# KiCad board artix-dc-scm.kicad_pcb (continued)
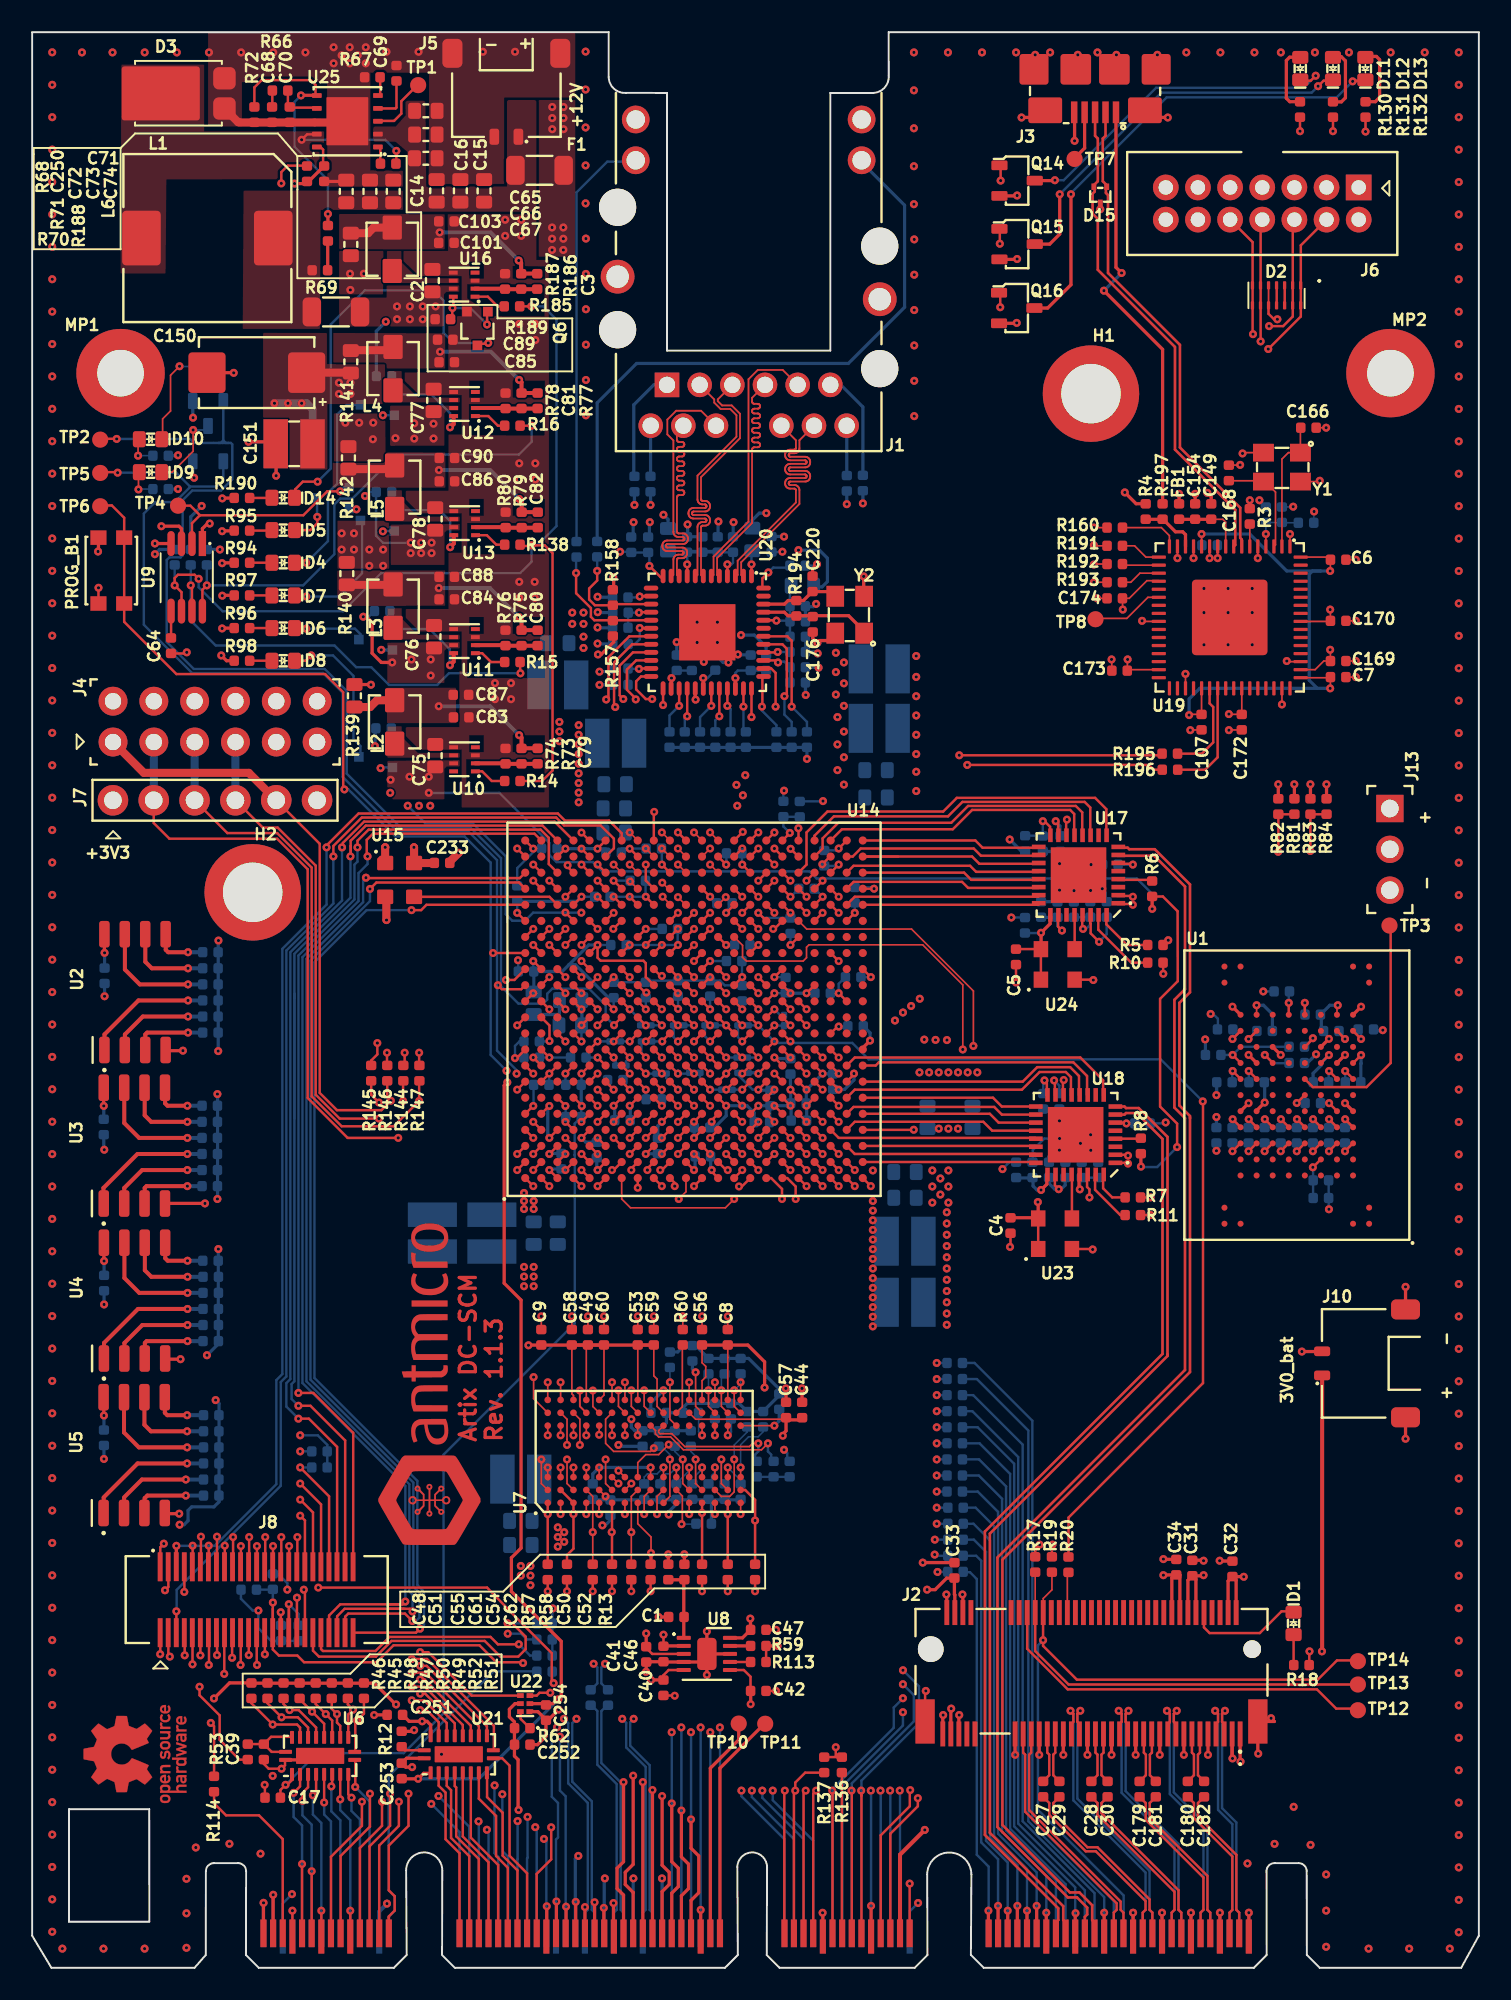
[diagram p0: board, top side]
## Routing (per net, layer and track width the routed paths; a pad name or vN(x,y) marks a point on that pad's centre or on a via; arc(x,y) is an arc through that point) (continued)
MMC_DAT1: length 47.3
  Top w0.15: 48.68,65.13 v3(49.18,65.63) ; v2(82.67,57.78) 82.17,58.28 82.17,58.29
  In2.Cu w0.15: v3(49.18,65.63) 50.27,64.53 55.6,64.53 60.2,59.93 68.88,59.93 68.91,59.92 68.94,59.91 68.97,59.89 68.99,59.87 69.01,59.84 69.02,59.81 69.03,59.78 69.03,59.33 69.03,59.3 69.04,59.26 69.06,59.24 69.08,59.21 69.11,59.19 69.14,59.18 69.18,59.18 69.21,59.18 69.24,59.19 69.27,59.21 69.29,59.24 69.31,59.26 69.32,59.3 69.33,59.33 69.33,60.32 69.33,60.35 69.34,60.39 69.36,60.41 69.38,60.44 69.41,60.46 69.44,60.47 69.47,60.47 69.51,60.47 69.54,60.46 69.57,60.44 69.59,60.41 69.61,60.39 69.62,60.35 69.62,60.32 69.62,59.28 69.63,59.25 69.64,59.21 69.66,59.19 69.68,59.16 69.71,59.14 69.74,59.13 69.78,59.13 69.81,59.13 69.84,59.14 69.87,59.16 69.89,59.19 69.91,59.21 69.92,59.25 69.93,59.28 69.93,60.32 69.93,60.35 69.94,60.39 69.96,60.41 69.98,60.44 70.01,60.46 70.04,60.47 70.08,60.47 70.11,60.47 70.14,60.46 70.17,60.44 70.19,60.41 70.21,60.39 70.22,60.35 70.22,60.32 70.22,59.28 70.23,59.25 70.24,59.21 70.26,59.19 70.28,59.16 70.31,59.14 70.34,59.13 70.38,59.13 70.41,59.13 70.44,59.14 70.47,59.16 70.49,59.19 70.51,59.21 70.52,59.25 70.53,59.28 70.53,60.32 70.53,60.35 70.54,60.39 70.56,60.41 70.58,60.44 70.61,60.46 70.64,60.47 70.68,60.47 70.71,60.47 70.74,60.46 70.77,60.44 70.79,60.41 70.81,60.39 70.82,60.35 70.83,60.32 70.83,59.28 70.83,59.25 70.84,59.21 70.86,59.19 70.88,59.16 70.91,59.14 70.94,59.13 70.97,59.13 71.01,59.13 71.04,59.14 71.07,59.16 71.09,59.19 71.11,59.21 71.12,59.25 71.12,59.28 71.12,59.78 71.13,59.81 71.14,59.84 71.16,59.87 71.18,59.89 71.21,59.91 71.24,59.92 71.28,59.93 73.47,59.93 74.25,59.15 81.28,59.15 ; v2(82.67,57.78) 81.3,59.15
  Bottom w0.15: 82.48,58.37 82.67,58.18 v2(82.67,57.78)
MMC_DAT2: length 52.5
  Top w0.15: 81.17,55.3 v2(80.68,55.79) ; 44.68,66.13 v3(44.18,65.63)
  In2.Cu w0.15: v2(80.68,55.79) 80.21,55.31 80.06,55.31 80.03,55.31 80,55.33 79.97,55.34 79.94,55.37 79.93,55.4 79.91,55.43 79.91,55.46 79.91,56.12 79.91,56.16 79.9,56.19 79.88,56.22 79.85,56.24 79.83,56.26 79.79,56.27 79.76,56.27 79.73,56.27 79.7,56.26 79.67,56.24 79.64,56.22 79.63,56.19 79.61,56.16 79.61,56.12 79.61,55.46 79.61,55.43 79.6,55.4 79.58,55.37 79.55,55.34 79.53,55.33 79.49,55.31 79.46,55.31 79.43,55.31 79.4,55.33 79.37,55.34 79.34,55.37 79.33,55.4 79.31,55.43 79.31,55.46 79.31,56.12 79.31,56.16 79.3,56.19 79.28,56.22 79.25,56.24 79.23,56.26 79.19,56.27 79.16,56.27 79.13,56.27 79.1,56.26 79.07,56.24 79.04,56.22 79.03,56.19 79.01,56.16 79.01,56.12 79.01,55.46 79.01,55.43 79,55.4 78.98,55.37 78.95,55.34 78.93,55.33 78.89,55.31 78.86,55.31 78.83,55.31 78.8,55.33 78.77,55.34 78.74,55.37 78.73,55.4 78.71,55.43 78.71,55.46 78.71,56.12 78.71,56.16 78.7,56.19 78.68,56.22 78.65,56.24 78.63,56.26 78.59,56.27 78.56,56.27 78.53,56.27 78.5,56.26 78.47,56.24 78.44,56.22 78.43,56.19 78.41,56.16 78.41,56.12 78.41,55.46 78.41,55.43 78.4,55.4 78.38,55.37 78.35,55.34 78.33,55.33 78.29,55.31 78.26,55.31 78.23,55.31 78.2,55.33 78.17,55.34 78.14,55.37 78.13,55.4 78.11,55.43 78.11,55.46 78.11,56.12 78.11,56.16 78.1,56.19 78.08,56.22 78.05,56.24 78.03,56.26 77.99,56.27 77.96,56.27 77.93,56.27 77.9,56.26 77.87,56.24 77.84,56.22 77.83,56.19 77.81,56.16 77.81,56.12 77.81,55.46 77.81,55.43 77.8,55.4 77.78,55.37 77.75,55.34 77.73,55.33 77.69,55.31 77.66,55.31 77.63,55.31 77.6,55.33 77.57,55.34 77.54,55.37 77.53,55.4 77.51,55.43 77.51,55.46 77.51,56.12 77.51,56.16 77.5,56.19 77.48,56.22 77.45,56.24 77.43,56.26 77.39,56.27 77.36,56.27 77.33,56.27 77.3,56.26 77.27,56.24 77.24,56.22 77.23,56.19 77.21,56.16 77.21,56.12 77.21,55.46 77.21,55.43 77.2,55.4 77.18,55.37 77.15,55.34 77.13,55.33 77.09,55.31 77.06,55.31 76.97,55.23 65.88,55.23 64.97,56.13 60.9,56.13 54.8,62.23 47,62.23 46.1,63.13 44.87,63.13 44.65,63.35 44.65,65.15 v3(44.18,65.63)
  Bottom w0.15: v2(80.68,55.79) 80.66,55.76 80.66,55.09
MMC_DAT3: length 46.1
  Top w0.1: 81.18,58.27 v2(81.67,57.78)
  Top w0.15: 81.17,58.29 81.17,58.28 v2(81.67,57.78) ; 47.68,66.13 v3(48.18,65.63)
  In2.Cu w0.15: v3(48.18,65.63) 49.57,64.23 55.47,64.23 60.03,59.67 65.03,59.67 65.06,59.67 65.09,59.66 65.12,59.64 65.14,59.62 65.16,59.59 65.17,59.56 65.18,59.52 65.18,59.04 65.18,59.01 65.19,58.98 65.21,58.95 65.23,58.92 65.26,58.91 65.29,58.89 65.33,58.89 65.36,58.89 65.39,58.91 65.42,58.92 65.44,58.95 65.46,58.98 65.47,59.01 65.48,59.04 65.48,59.52 65.48,59.56 65.49,59.59 65.51,59.62 65.53,59.64 65.56,59.66 65.59,59.67 65.63,59.67 65.66,59.67 65.69,59.66 65.72,59.64 65.74,59.62 65.76,59.59 65.77,59.56 65.78,59.52 65.78,59.04 65.78,59.01 65.79,58.98 65.81,58.95 65.83,58.92 65.86,58.91 65.89,58.89 65.93,58.89 65.96,58.89 65.99,58.91 66.02,58.92 66.04,58.95 66.06,58.98 66.07,59.01 66.08,59.04 66.08,59.52 66.08,59.56 66.09,59.59 66.11,59.62 66.13,59.64 66.16,59.66 66.19,59.67 66.23,59.67 66.26,59.67 66.29,59.66 66.32,59.64 66.34,59.62 66.36,59.59 66.37,59.56 66.38,59.52 66.38,59.04 66.38,59.01 66.39,58.98 66.41,58.95 66.43,58.92 66.46,58.91 66.49,58.89 66.53,58.89 66.56,58.89 66.59,58.91 66.62,58.92 66.64,58.95 66.66,58.98 66.67,59.01 66.68,59.04 66.68,59.52 66.68,59.56 66.69,59.59 66.71,59.62 66.73,59.64 66.76,59.66 66.79,59.67 66.83,59.67 66.86,59.67 66.89,59.66 66.92,59.64 66.94,59.62 66.96,59.59 66.97,59.56 66.98,59.52 66.98,59.04 66.98,59.01 66.99,58.98 67.01,58.95 67.03,58.92 67.06,58.91 67.09,58.89 67.13,58.89 67.16,58.89 67.19,58.91 67.22,58.92 67.24,58.95 67.26,58.98 67.27,59.01 67.28,59.04 67.28,59.52 67.28,59.56 67.29,59.59 67.31,59.62 67.33,59.64 67.36,59.66 67.39,59.67 67.43,59.67 67.46,59.67 67.49,59.66 67.52,59.64 67.54,59.62 67.56,59.59 67.57,59.56 67.58,59.52 67.58,59.04 67.58,59.01 67.59,58.98 67.61,58.95 67.63,58.92 67.66,58.91 67.69,58.89 67.73,58.89 67.76,58.89 67.79,58.91 67.82,58.92 67.84,58.95 67.86,58.98 67.87,59.01 67.88,59.04 67.88,59.52 67.88,59.56 67.89,59.59 67.91,59.62 67.93,59.64 67.96,59.66 67.99,59.67 68.03,59.67 68.23,59.67 69.05,58.85 80.6,58.85 v2(81.67,57.78)
  Bottom w0.15: 81.17,58.28 v2(81.67,57.78)
MMC_DAT4: length 46.2
  Top w0.1: 76.16,58.27 v2(75.67,57.78)
  Top w0.15: 76.17,58.29 76.17,58.28 v2(75.67,57.78) ; 46.68,66.13 v3(47.18,65.63)
  In2.Cu w0.15: v2(75.67,57.78) 75.2,58.25 67.7,58.25 67.18,57.73 64.4,57.73 64.37,57.73 64.33,57.74 64.31,57.76 64.28,57.78 64.26,57.81 64.25,57.84 64.25,57.88 64.25,58.65 64.25,58.68 64.24,58.71 64.22,58.74 64.19,58.77 64.17,58.78 64.13,58.79 64.1,58.8 64.07,58.79 64.03,58.78 64.01,58.77 63.98,58.74 63.96,58.71 63.95,58.68 63.95,58.65 63.95,57.66 63.95,57.65 63.94,57.64 63.94,57.62 63.93,57.61 63.92,57.61 63.9,57.6 63.89,57.6 63.71,57.6 63.7,57.6 63.68,57.61 63.67,57.61 63.66,57.62 63.66,57.64 63.65,57.65 63.65,57.66 63.65,58.65 63.65,58.68 63.64,58.71 63.62,58.74 63.59,58.77 63.57,58.78 63.53,58.79 63.5,58.8 63.47,58.79 63.43,58.78 63.41,58.77 63.38,58.74 63.36,58.71 63.35,58.68 63.35,58.65 63.35,57.66 63.35,57.65 63.34,57.64 63.34,57.62 63.33,57.61 63.32,57.61 63.3,57.6 63.29,57.6 63.11,57.6 63.1,57.6 63.08,57.61 63.07,57.61 63.06,57.62 63.06,57.64 63.05,57.65 63.05,57.66 63.05,58.65 63.05,58.68 63.04,58.71 63.02,58.74 62.99,58.77 62.97,58.78 62.93,58.79 62.9,58.8 62.87,58.79 62.83,58.78 62.81,58.77 62.78,58.74 62.76,58.71 62.75,58.68 62.75,58.65 62.75,57.66 62.75,57.65 62.74,57.64 62.74,57.62 62.73,57.61 62.72,57.61 62.7,57.6 62.69,57.6 62.51,57.6 62.5,57.6 62.48,57.61 62.47,57.61 62.46,57.62 62.46,57.64 62.45,57.65 62.45,57.66 62.45,58.65 62.45,58.68 62.44,58.71 62.42,58.74 62.39,58.77 62.37,58.78 62.33,58.79 62.3,58.8 62.27,58.79 62.23,58.78 62.21,58.77 62.18,58.74 62.16,58.71 62.15,58.68 62.15,58.65 62.15,57.66 62.15,57.65 62.14,57.64 62.14,57.62 62.13,57.61 62.12,57.61 62.1,57.6 62.09,57.6 61.91,57.6 61.9,57.6 61.88,57.61 61.87,57.61 61.86,57.62 61.86,57.64 61.85,57.65 61.85,57.66 61.85,58.65 61.85,58.68 61.84,58.71 61.82,58.74 61.79,58.77 61.77,58.78 61.73,58.79 61.7,58.8 61.67,58.79 61.63,58.78 61.61,58.77 61.58,58.74 61.56,58.71 61.55,58.68 61.55,58.65 61.55,57.73 61.54,57.73 61.54,57.66 61.54,57.65 61.53,57.64 61.52,57.62 61.51,57.61 61.5,57.61 61.49,57.6 61.48,57.6 61.3,57.6 61.28,57.6 61.27,57.61 61.26,57.61 61.25,57.62 61.24,57.64 61.24,57.65 61.24,57.68 61.23,57.69 61.22,57.7 61.21,57.71 61.2,57.72 61.19,57.72 61.18,57.73 61,57.73 55.1,63.63 48.82,63.63 47.18,65.27 v3(47.18,65.63)
  Bottom w0.15: 76.19,58.28 76.17,58.28 v2(75.67,57.78)
MMC_DAT5: length 45.3
  Top w0.15: 76.17,55.3 v2(75.68,55.79) ; v3(46.1,64.63) 46.18,64.63 46.68,65.13
  In2.Cu w0.15: v2(75.68,55.79) 75.21,56.26 74.54,56.26 74.51,56.26 74.48,56.27 74.46,56.29 74.44,56.31 74.42,56.33 74.41,56.36 74.41,56.41 74.4,56.44 74.38,56.46 74.36,56.48 74.34,56.5 74.31,56.51 74.29,56.51 74.24,56.51 74.21,56.51 74.18,56.5 74.16,56.48 74.14,56.46 74.12,56.44 74.11,56.41 74.11,56.39 74.11,56.16 74.11,56.14 74.1,56.12 74.09,56.1 74.07,56.08 74.05,56.07 74.03,56.06 74.01,56.06 73.91,56.06 73.89,56.06 73.87,56.07 73.85,56.08 73.83,56.1 73.82,56.12 73.81,56.14 73.81,56.16 73.81,56.91 73.81,56.94 73.8,56.98 73.78,57 73.75,57.03 73.73,57.05 73.69,57.06 73.66,57.06 73.63,57.06 73.6,57.05 73.57,57.03 73.54,57 73.53,56.98 73.51,56.94 73.51,56.91 73.51,56.16 73.51,56.14 73.5,56.12 73.49,56.1 73.47,56.08 73.45,56.07 73.43,56.06 73.41,56.06 73.31,56.06 73.29,56.06 73.27,56.07 73.25,56.08 73.23,56.1 73.22,56.12 73.21,56.14 73.21,56.16 73.21,56.91 73.21,56.94 73.2,56.98 73.18,57 73.15,57.03 73.13,57.05 73.09,57.06 73.06,57.06 73.03,57.06 73,57.05 72.97,57.03 72.94,57 72.93,56.98 72.91,56.94 72.91,56.91 72.91,56.16 72.91,56.14 72.9,56.12 72.89,56.1 72.87,56.08 72.85,56.07 72.83,56.06 72.81,56.06 72.71,56.06 72.69,56.06 72.67,56.07 72.65,56.08 72.63,56.1 72.62,56.12 72.61,56.14 72.61,56.16 72.61,56.91 72.61,56.94 72.6,56.98 72.58,57 72.55,57.03 72.53,57.05 72.49,57.06 72.46,57.06 72.43,57.06 72.4,57.05 72.37,57.03 72.34,57 72.33,56.98 72.31,56.94 72.31,56.91 72.31,56.16 72.31,56.14 72.3,56.12 72.29,56.1 72.27,56.08 72.25,56.07 72.23,56.06 72.21,56.06 72.11,56.06 72.09,56.06 72.07,56.07 72.05,56.08 72.03,56.1 72.02,56.12 72.01,56.14 72.01,56.16 72.01,56.91 72.01,56.94 72,56.98 71.98,57 71.95,57.03 71.93,57.05 71.89,57.06 71.86,57.06 71.83,57.06 71.8,57.05 71.77,57.03 71.74,57 71.73,56.98 71.71,56.94 71.71,56.91 71.71,56.16 71.71,56.14 71.7,56.12 71.69,56.1 71.67,56.08 71.65,56.07 71.63,56.06 71.61,56.06 71.51,56.06 71.49,56.06 71.47,56.07 71.45,56.08 71.43,56.1 71.42,56.12 71.41,56.14 71.41,56.16 71.41,56.91 71.41,56.94 71.4,56.98 71.38,57 71.35,57.03 71.33,57.05 71.29,57.06 71.26,57.06 71.23,57.06 71.2,57.05 71.17,57.03 71.14,57 71.13,56.98 71.11,56.94 71.11,56.91 71.11,56.16 71.11,56.14 71.1,56.12 71.09,56.1 71.07,56.08 71.05,56.07 71.03,56.06 71.01,56.06 70.91,56.06 70.89,56.06 70.87,56.07 70.85,56.08 70.83,56.1 70.82,56.12 70.81,56.14 70.81,56.18 70.8,56.2 70.79,56.22 70.77,56.24 70.75,56.25 70.73,56.26 70.71,56.26 70.44,56.26 69.78,56.93 60.95,56.93 55.05,62.83 47.3,62.83 46.1,64.02 v3(46.1,64.63)
  Bottom w0.15: 75.69,55.09 75.69,55.78 v2(75.68,55.79)
MMC_DAT6: length 45.8
  Top w0.1: 75.16,58.27 v2(74.67,57.78)
  Top w0.15: 75.17,58.29 75.17,58.28 v2(74.67,57.78) ; 45.68,66.13 v3(46.18,65.63)
  In2.Cu w0.15: v3(46.18,65.63) 48.57,63.23 55.07,63.23 60.98,57.33 67.78,57.33 67.79,57.32 67.8,57.32 67.82,57.31 67.83,57.3 67.84,57.29 67.84,57.27 67.85,57.24 67.85,57.23 67.86,57.21 67.87,57.2 67.88,57.19 67.9,57.19 67.91,57.19 68.08,57.19 68.09,57.19 68.1,57.19 68.12,57.2 68.13,57.21 68.14,57.23 68.14,57.24 68.14,57.26 68.14,57.33 68.15,57.33 68.15,57.81 68.15,57.85 68.16,57.88 68.18,57.91 68.21,57.93 68.23,57.95 68.27,57.96 68.3,57.96 68.33,57.96 68.37,57.95 68.39,57.93 68.42,57.91 68.44,57.88 68.45,57.85 68.45,57.81 68.45,57.26 68.45,57.24 68.46,57.23 68.47,57.21 68.48,57.2 68.49,57.19 68.5,57.19 68.52,57.19 68.68,57.19 68.7,57.19 68.71,57.19 68.72,57.2 68.73,57.21 68.74,57.23 68.75,57.24 68.75,57.26 68.75,57.81 68.75,57.85 68.76,57.88 68.78,57.91 68.81,57.93 68.83,57.95 68.87,57.96 68.9,57.96 68.93,57.96 68.97,57.95 68.99,57.93 69.02,57.91 69.04,57.88 69.05,57.85 69.05,57.81 69.05,57.26 69.05,57.24 69.06,57.23 69.07,57.21 69.08,57.2 69.09,57.19 69.1,57.19 69.12,57.19 69.28,57.19 69.3,57.19 69.31,57.19 69.32,57.2 69.33,57.21 69.34,57.23 69.35,57.24 69.35,57.26 69.35,57.81 69.35,57.85 69.36,57.88 69.38,57.91 69.41,57.93 69.43,57.95 69.47,57.96 69.5,57.96 69.53,57.96 69.57,57.95 69.59,57.93 69.62,57.91 69.64,57.88 69.65,57.85 69.65,57.81 69.65,57.26 69.65,57.24 69.66,57.23 69.67,57.21 69.68,57.2 69.69,57.19 69.7,57.19 69.72,57.19 69.88,57.19 69.9,57.19 69.91,57.19 69.92,57.2 69.93,57.21 69.94,57.23 69.95,57.24 69.95,57.26 69.95,57.81 69.95,57.85 69.96,57.88 69.98,57.91 70.01,57.93 70.03,57.95 70.07,57.96 70.1,57.96 70.13,57.96 70.17,57.95 70.19,57.93 70.22,57.91 70.24,57.88 70.25,57.85 70.25,57.81 70.25,56.89 70.25,56.85 70.26,56.82 70.28,56.79 70.31,56.77 70.33,56.75 70.37,56.74 70.4,56.74 70.43,56.74 70.47,56.75 70.49,56.77 70.52,56.79 70.54,56.82 70.55,56.85 70.55,56.89 70.55,57.81 70.55,57.85 70.56,57.88 70.58,57.91 70.61,57.93 70.63,57.95 70.67,57.96 70.7,57.96 70.73,57.96 70.77,57.95 70.79,57.93 70.82,57.91 70.84,57.88 70.85,57.85 70.85,57.81 70.85,57.48 70.85,57.44 70.86,57.41 70.88,57.38 70.91,57.36 70.93,57.34 70.97,57.33 71,57.33 71.03,57.33 71.07,57.34 71.09,57.36 71.12,57.38 71.14,57.41 71.15,57.44 71.15,57.48 71.15,57.81 71.15,57.85 71.16,57.88 71.18,57.91 71.21,57.93 71.23,57.95 71.27,57.96 71.3,57.96 71.33,57.96 71.37,57.95 71.39,57.93 71.42,57.91 71.44,57.88 71.45,57.85 71.45,57.81 71.45,57.48 71.45,57.44 71.46,57.41 71.48,57.38 71.51,57.36 71.53,57.34 71.57,57.33 71.6,57.33 71.5,57.33 71.53,57.33 71.57,57.34 71.59,57.36 71.62,57.38 71.64,57.41 71.65,57.44 71.65,57.48 71.65,57.81 71.65,57.85 71.66,57.88 71.68,57.91 71.71,57.93 71.73,57.95 71.77,57.96 71.8,57.96 71.83,57.96 71.87,57.95 71.89,57.93 71.92,57.91 71.94,57.88 71.95,57.85 71.95,57.81 71.95,57.48 71.95,57.44 71.96,57.41 71.98,57.38 72.01,57.36 72.03,57.34 72.07,57.33 72.1,57.33 72,57.33 72.03,57.33 72.07,57.34 72.09,57.36 72.12,57.38 72.14,57.41 72.15,57.44 72.15,57.48 72.15,57.81 72.15,57.85 72.16,57.88 72.18,57.91 72.21,57.93 72.23,57.95 72.27,57.96 72.3,57.96 72.33,57.96 72.37,57.95 72.39,57.93 72.42,57.91 72.44,57.88 72.45,57.85 72.45,57.81 72.45,57.48 72.45,57.44 72.46,57.41 72.48,57.38 72.51,57.36 72.53,57.34 72.57,57.33 72.6,57.33 73.87,57.33 74.32,57.78 v2(74.67,57.78)
  Bottom w0.1: v2(74.67,57.78) 74.7,57.81 74.7,58.37
MMC_DAT7: length 45.4
  Top w0.15: 75.17,55.3 v2(74.68,55.79) ; 44.68,65.13 v3(45.18,64.63)
  In2.Cu w0.15: v3(45.18,64.63) 45.68,64.13 45.68,64.03 47.17,62.53 54.92,62.53 60.92,56.53 65.18,56.53 65.91,55.79 66.54,55.79 66.57,55.78 66.6,55.77 66.63,55.75 66.65,55.73 66.67,55.7 66.68,55.67 66.69,55.6 66.7,55.57 66.72,55.54 66.74,55.52 66.77,55.5 66.8,55.49 66.84,55.49 66.87,55.49 66.9,55.5 66.93,55.52 66.95,55.54 66.97,55.57 66.98,55.6 66.99,55.64 66.99,55.79 66.99,56.49 66.99,56.52 67,56.55 67.02,56.58 67.04,56.6 67.07,56.62 67.1,56.63 67.14,56.64 67.17,56.63 67.2,56.62 67.23,56.6 67.25,56.58 67.27,56.55 67.28,56.52 67.29,56.49 67.29,55.64 67.29,55.6 67.3,55.57 67.32,55.54 67.34,55.52 67.37,55.5 67.4,55.49 67.44,55.49 67.47,55.49 67.5,55.5 67.53,55.52 67.55,55.54 67.57,55.57 67.58,55.6 67.59,55.64 67.59,56.49 67.59,56.52 67.6,56.55 67.62,56.58 67.64,56.6 67.67,56.62 67.7,56.63 67.74,56.64 67.77,56.63 67.8,56.62 67.83,56.6 67.85,56.58 67.87,56.55 67.88,56.52 67.89,56.49 67.89,55.64 67.89,55.6 67.9,55.57 67.92,55.54 67.94,55.52 67.97,55.5 68,55.49 68.04,55.49 68.07,55.49 68.1,55.5 68.13,55.52 68.15,55.54 68.17,55.57 68.18,55.6 68.19,55.64 68.19,56.49 68.19,56.52 68.2,56.55 68.22,56.58 68.24,56.6 68.27,56.62 68.3,56.63 68.34,56.64 68.37,56.63 68.4,56.62 68.43,56.6 68.45,56.58 68.47,56.55 68.48,56.52 68.49,56.49 68.49,55.64 68.49,55.6 68.5,55.57 68.52,55.54 68.54,55.52 68.57,55.5 68.6,55.49 68.64,55.49 68.67,55.49 68.7,55.5 68.73,55.52 68.75,55.54 68.77,55.57 68.78,55.6 68.79,55.64 68.79,56.49 68.79,56.52 68.8,56.55 68.82,56.58 68.84,56.6 68.87,56.62 68.9,56.63 68.94,56.64 68.97,56.63 69,56.62 69.03,56.6 69.05,56.58 69.07,56.55 69.08,56.52 69.09,56.49 69.09,55.64 69.09,55.6 69.1,55.57 69.12,55.54 69.14,55.52 69.17,55.5 69.2,55.49 69.24,55.49 69.27,55.49 69.3,55.5 69.33,55.52 69.35,55.54 69.37,55.57 69.38,55.6 69.39,55.64 69.39,56.49 69.39,56.52 69.4,56.55 69.42,56.58 69.44,56.6 69.47,56.62 69.5,56.63 69.54,56.64 69.57,56.63 69.6,56.62 69.63,56.6 69.65,56.58 69.67,56.55 69.68,56.52 69.69,56.49 69.69,55.94 69.69,55.9 69.7,55.87 69.72,55.84 69.74,55.82 69.77,55.8 69.8,55.79 69.84,55.79 v2(74.68,55.79)
  Bottom w0.15: v2(74.68,55.79) 74.66,55.76 74.66,55.09
MMC_RSTN: length 39
  Top w0.15: 79.17,57.29 79.76,57.88 ; 47.68,67.13 v3(48.18,66.63)
  In2.Cu w0.15: v3(48.18,66.63) 47.65,66.1 47.65,65.25 48.97,63.93 55.27,63.93 59.87,59.33 64.38,59.33 65.15,58.55 78.95,58.55 v2(79.67,57.83)
  Bottom w0.15: 79.16,57.3 79.16,57.31 v2(79.67,57.83)
NCSI_CLK: length 70.4
  Top w0.15: U14.B13 v3(32.18,61.63)
  Top w0.2: J9.B18 36.79,4.53 36.39,4.93 36.39,6.2 36.79,6.6 v3(36.79,11.56)
  In2.Cu w0.15: v3(36.79,11.56) 32.27,11.56 26.68,17.14 26.68,57.53 30.18,61.03 31.58,61.03 v3(32.18,61.63)
NCSI_CRS_DV: length 71.6
  Top w0.15: U14.A14 30,61.45 v3(29.48,61.45)
  Top w0.2: J9.B19 37.39,4.69 36.9,5.18 36.9,5.95 37.39,6.44 v3(37.39,11.96)
  In2.Cu w0.15: v3(29.48,61.45) 29.48,60.97 26.38,57.88 26.38,17.02 32.32,11.08 37.11,11.08 37.39,11.36 v3(37.39,11.96)
NCSI_RXD0: length 76.8
  Top w0.15: U14.A15 v3(28.68,63.13)
  Top w0.2: v3(40.39,9.79) 40.39,6.9 40.84,6.45 40.84,4.93 40.39,4.48 J9.B24
  In2.Cu w0.15: v3(40.39,9.79) 40.14,9.54 31.75,9.54 24.88,16.4 24.88,59.33 v3(28.68,63.13)
NCSI_RXD1: length 79.2
  Top w0.15: U14.B15 v3(31.18,63.63)
  Top w0.2: J9.B25 40.99,4.2 41.47,4.68 41.47,6.96 40.99,7.44 v3(40.99,9.24)
  In2.Cu w0.15: v3(40.99,9.24) 31.62,9.24 24.58,16.27 24.58,59.71 28.5,63.63 v3(31.18,63.63)
NCSI_RXER: length 78
  Top w0.15: U14.C15 v3(32.18,63.63)
  Top w0.2: J9.B23 39.79,4.65 40.2,5.06 40.2,6.2 39.79,6.61 v3(39.79,10.23)
  In2.Cu w0.15: v3(32.18,63.63) 31.68,63.13 29.37,63.13 25.18,58.93 25.18,16.52 31.83,9.88 39.44,9.88 v3(39.79,10.23)
NCSI_TXD0: length 77.4
  Top w0.15: U14.D14 v3(34.18,61.63)
  Top w0.2: 38.59,1.96 v3(38.59,11.06)
  In2.Cu w0.15: v3(34.18,61.63) U14.D14 32.05,62.13 31.8,61.87 29.02,61.87 25.78,58.63 25.78,16.77 32.08,10.48 38.01,10.48 v3(38.59,11.06)
NCSI_TXD1: length 78.6
  Top w0.15: U14.E14 v3(34.18,62.63)
  Top w0.2: J9.B22 39.19,4.74 39.63,5.19 39.63,5.94 39.19,6.38 v3(39.19,10.69)
  In2.Cu w0.15: v3(39.19,10.69) 38.68,10.18 31.95,10.18 25.48,16.65 25.48,58.81 28.8,62.13 31.57,62.13 32.07,62.63 v3(34.18,62.63)
NCSI_TXEN: length 72
  Top w0.15: U14.A13 30.43,60.88 29.22,60.88 v3(28.97,61.12)
  Top w0.2: v3(37.99,11.56) 37.99,1.96
  In2.Cu w0.15: v3(28.97,61.12) 26.08,58.24 26.08,16.89 32.2,10.78 37.71,10.78 37.99,11.06 v3(37.99,11.56)
PCIE_BMC_CLK_100_N: length 61.8
  Top w0.15: U14.E6 v4(35.18,53.63)
  In5.Cu w0.11: v4(35.18,53.63) U14.E6 30.83,54.13 27.64,50.93 27.64,25.32 33.57,19.38 33.57,15.79 33.87,15.49
  Bottom w0.15: J9.A15 34.99,3.44 34.82,3.61 34.82,10.36 33.6,11.58 33.6,15.23 v2(33.86,15.49)
PCIE_BMC_CLK_100_P: length 62
  Top w0.15: U14.F6 v4(35.18,54.63)
  In5.Cu w0.11: 33.09,15.64 33.27,15.83 33.27,19.23 27.32,25.18 27.32,51.06 30.7,54.45 34.64,54.45 34.82,54.63 v4(35.18,54.63)
  Bottom w0.15: 34.39,2.15 34.39,3.44 34.57,3.61 34.57,10.26 33.35,11.48 33.35,15.23 v2(33.08,15.49)
PCIE_BMC_RX_N: length 58.5
  Top w0.15: U14.A8 v3(31.18,55.63)
  In2.Cu w0.11: 37.43,15.49 37.43,15.87 37.2,16.1 37.2,19.87 29.94,27.13 29.94,54.39 v3(31.18,55.63)
  Bottom w0.15: v2(37.42,15.49) 37.21,15.28 37.21,13.82 38.41,12.61 38.41,3.61 38.59,3.44 J9.A21
PCIE_BMC_RX_P: length 59.6
  Top w0.15: U14.B8 v3(31.18,56.63)
  In2.Cu w0.11: 36.72,15.49 36.72,15.92 36.9,16.1 36.9,19.8 29.62,27.09 29.62,54.49 30.68,55.55 30.68,56.13 v3(31.18,56.63)
  Bottom w0.15: v2(36.71,15.49) 36.96,15.25 36.96,13.71 38.16,12.5 38.16,3.61 37.99,3.44 37.99,2.15
PCIE_BMC_TX_N: length 14.9
  Bottom w0.15: J9.A18 36.79,3.44 36.62,3.61 36.62,11.54 35.41,12.74 35.41,15.98 35.79,16.35
PCIE_BMC_TX_P: length 14.9
  Bottom w0.15: 34.79,16.35 35.16,15.98 35.16,12.64 36.37,11.43 36.37,3.61 36.19,3.44 36.19,2.15
PCIE_HPM_CLK_N: length 14.9
  Top w0.15: J9.B57 67.89,3.44 67.72,3.61 67.72,4.12 62.02,9.81 62.02,13.26 62.15,13.39 J2.53
PCIE_HPM_CLK_P: length 14.9
  Top w0.15: J2.55 61.65,13.39 61.77,13.26 61.77,9.71 67.47,4.02 67.47,3.61 67.29,3.44 J9.B56
PCIE_HPM_RX[0]_N: length 18.3
  Top w0.11: J2.41 65.15,15.18
  Top w0.15: v2(65.21,15.99) 65.03,15.81 65.03,15.3 65.15,15.18
  Bottom w0.11: 69.69,1.96 69.69,2.83
  Bottom w0.15: J9.A60 69.69,3.44 69.52,3.61 69.52,6.03 65.03,10.52 65.03,15.81 v2(65.21,15.99)
PCIE_HPM_RX[0]_P: length 18.3
  Top w0.11: J2.43 64.65,15.18
  Top w0.15: v2(64.59,15.99) 64.78,15.81 64.78,15.3 64.65,15.18
  Bottom w0.11: 69.09,1.96 69.09,2.83
  Bottom w0.15: J9.A59 69.09,3.44 69.27,3.61 69.27,5.93 64.78,10.42 64.78,15.81 v2(64.59,15.99)
PCIE_HPM_RX[1]_N: length 18.4
  Top w0.11: J2.29 68.15,15.18
  Top w0.15: v2(68.21,15.99) 68.03,15.81 68.03,15.3 68.15,15.18 J2.29
  Bottom w0.11: 71.49,1.96 71.49,2.83
  Bottom w0.15: J9.A63 71.49,3.44 71.31,3.61 71.31,7.7 68.03,10.99 68.03,15.81 v2(68.21,15.99)
PCIE_HPM_RX[1]_P: length 18.4
  Top w0.11: J2.31 67.65,15.18
  Top w0.15: J2.31 67.65,15.18 67.78,15.3 67.78,15.81 v2(67.59,15.99)
  Bottom w0.11: 70.89,1.96 70.89,2.83
  Bottom w0.15: v2(67.59,15.99) 67.78,15.81 67.78,10.89 71.06,7.6 71.06,3.61 70.89,3.44 J9.A62
PCIE_HPM_RX[2]_N: length 17.9
  Top w0.11: 71.15,14.55 71.15,15.18
  Top w0.15: 71.15,14.55 71.15,15.18 71.03,15.3 71.03,15.81 v2(71.21,15.99)
  Bottom w0.11: 73.29,1.96 73.29,2.83
  Bottom w0.15: v2(71.21,15.99) 71.03,15.81 71.03,10.91 73.12,8.82 73.12,3.61 73.29,3.44 J9.A66
PCIE_HPM_RX[2]_P: length 17.9
  Top w0.11: 70.65,14.55 70.65,15.18
  Top w0.15: v2(70.59,15.99) 70.78,15.81 70.78,15.3 70.65,15.18 70.65,14.55
  Bottom w0.11: 72.69,1.96 72.69,2.83
  Bottom w0.15: J9.A65 72.69,3.44 72.87,3.61 72.87,8.72 70.78,10.81 70.78,15.81 v2(70.59,15.99)
PCIE_HPM_RX[3]_N: length 16.6
  Top w0.11: 74.15,14.55 74.15,15.18
  Top w0.15: v2(74.21,15.99) 74.03,15.81 74.03,15.3 74.15,15.18 74.15,14.55
  Bottom w0.15: v2(74.21,15.99) 74.03,15.81 74.03,9.93 74.91,9.04 74.91,3.61 75.09,3.44 J9.A69
PCIE_HPM_RX[3]_P: length 16.6
  Top w0.11: 73.65,14.55 73.65,15.18
  Top w0.15: v2(73.59,15.99) 73.78,15.81 73.78,15.3 73.65,15.18 73.65,14.55
  Bottom w0.15: v2(73.59,15.99) 73.78,15.81 73.78,9.83 74.66,8.94 74.66,3.61 74.49,3.44 J9.A68
PCIE_HPM_TX[0]_N: length 11.6
  Top w0.15: J9.B60 69.69,3.44 69.52,3.61 69.52,4.26 66.28,7.5 65.65,7.5 63.52,9.62 63.52,10.25 63.9,10.63
PCIE_HPM_TX[0]_P: length 11.6
  Top w0.15: J9.B59 69.09,3.44 69.27,3.61 69.27,4.16 66.17,7.25 65.54,7.25 63.27,9.52 63.27,10.25 62.9,10.63
PCIE_HPM_TX[1]_N: length 10.7
  Top w0.15: J9.B63 71.49,3.44 71.31,3.61 71.31,4.83 66.53,9.62 66.53,10.25 66.91,10.63
PCIE_HPM_TX[1]_P: length 10.7
  Top w0.15: 65.9,10.63 66.28,10.25 66.28,9.52 71.06,4.73 71.06,3.61 70.89,3.44 J9.B62
PCIE_HPM_TX[2]_N: length 10.2
  Top w0.15: J9.B66 73.29,3.44 73.12,3.61 73.12,5.72 69.53,9.31 69.53,10.25 69.91,10.63
PCIE_HPM_TX[2]_P: length 10.2
  Top w0.15: 68.9,10.63 69.28,10.25 69.28,9.21 72.87,5.62 72.87,3.61 72.69,3.44 J9.B65
PCIE_HPM_TX[3]_N: length 9.7
  Top w0.15: 72.91,10.63 72.53,10.25 72.53,9.42 74.91,7.03 74.91,3.61 75.09,3.44 J9.B69
PCIE_HPM_TX[3]_P: length 9.7
  Top w0.15: 71.9,10.63 72.28,10.25 72.28,9.32 74.66,6.93 74.66,3.61 74.49,3.44 J9.B68
PECI_BMC: length 14
  Top w0.2: 42.19,1.96 42.19,12.42 43.96,14.19 43.96,15.25
PROGRAM: length 128.1
  Top w0.15: 42.68,60.13 v4(43.18,59.63) ; v2(19.43,73.3) 19.35,73.38 19.35,79.35 18.23,80.48 8.98,80.48 5.73,83.73 PROG_B1.2 PROG_B1.1 5.73,90.2 4.96,90.97 4.23,90.97 ; 17.47,20.85 17.47,19.73 17.84,19.36 21.39,19.36 21.39,19.37 22.35,20.34 28.15,20.34 29.13,19.36 30.24,19.36 30.7,19.82 30.7,20.6 29.86,21.44 v2(29.57,21.44)
  In5.Cu w0.15: v2(29.57,21.44) 25.65,25.36 25.65,51.88 29.51,55.74 v2(29.51,55.8) 29.51,56.77 30.87,58.13 41.37,58.13 41.65,58.4 41.65,58.8 41.98,59.13 42.68,59.13 v4(43.18,59.63)
  Bottom w0.15: v2(29.51,55.8) 28.52,56.79 28.52,68.75 26.9,70.38 22.6,70.38 19.67,73.3 v2(19.43,73.3) ; 31.39,21.43 29.59,21.43 v2(29.57,21.44)
PRSNT0_N_R: length 70.2
  Top w0.15: 34.68,69.12 v4(34.18,69.62) ; 11.32,11.92 11.32,15.04 v2(11.12,15.24)
  In5.Cu w0.15: v4(34.18,69.62) 33.69,69.13 30.06,69.13 18.45,57.51 18.45,22.57 v2(11.12,15.24)
PRSNT1_N: length 46.5
  Top w0.1: 62.9,22.1 62.9,22.98 63.44,23.52 63.44,24.61
  Top w0.15: 82.47,19.12 81.18,19.12 79.97,17.93 64.99,17.93 62.89,20.03 v2(62.89,20.38) 62.89,22.09 62.9,22.1
  Bottom w0.15: v2(62.89,20.38) 62.57,20.06 62.57,9.83 67.9,4.5 67.9,1.97
QSPI0_CLK: length 34.3
  Top w0.15: v2(11.95,18.29) 11.95,18.29 11.95,20.57
  Top w0.2: 32.62,2.23 v3(32.62,4.13)
  In2.Cu w0.15: v3(32.62,4.13) 31.09,5.65 27.84,5.65 25.36,8.13 15.89,8.13 11.95,12.08 v2(11.95,18.29)
QSPI0_CS0_N: length 35.3
  Top w0.15: 12.44,19.44 12.44,20.82 12.47,20.85